# Altium PCB Acquisition-System_V1.0.PcbDoc (part 5 of 5)
Units mil, origin at the board's own origin, x right, y up, seen from the top; angles counter-clockwise.
Board outline 4370.08 x 5629.92 mil, 4 copper layers (Top Layer, Mid-Layer 1, Mid-Layer 2, Bottom Layer), stack 62.135 mil thick; 241 components, 167 nets, 1010 pads, 677 vias.
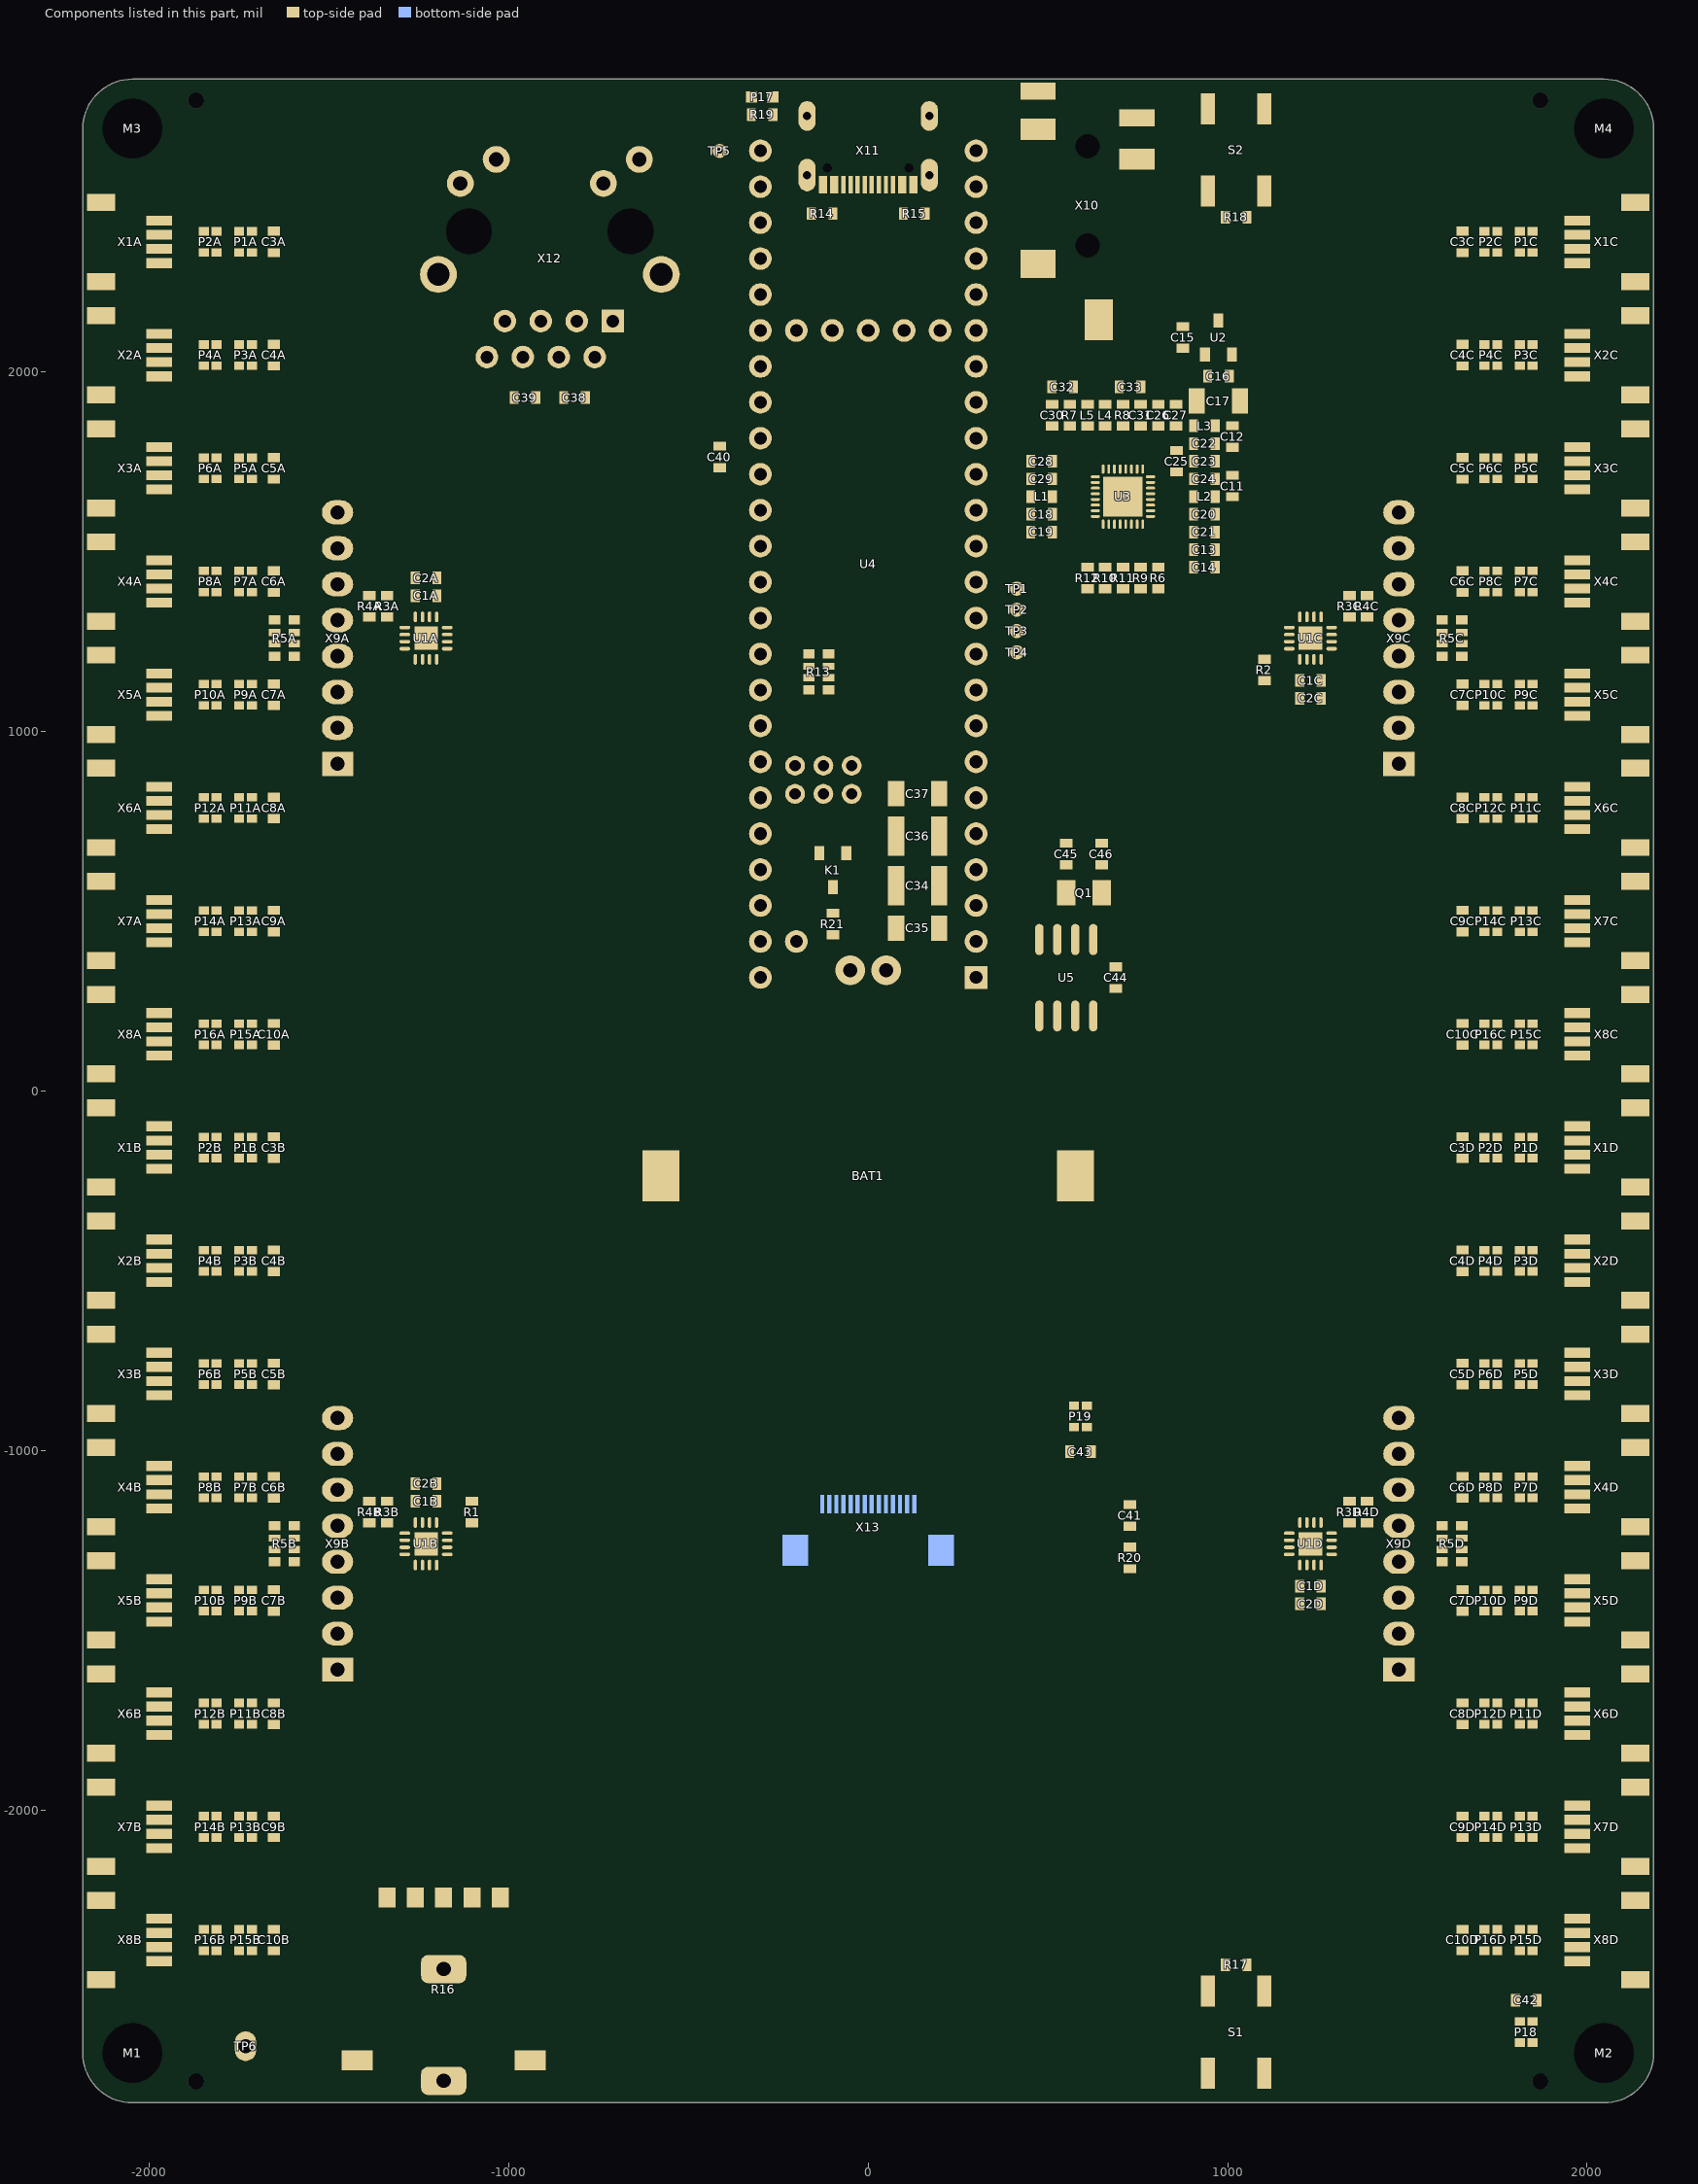
[diagram p7: the components of this part, seen from the top]

## Silkscreen, mask and mechanical layers (free items; w line width, h text height) (continued)
Mechanical 16:
  lines w5: -5849.61,-2490.16 -5649.61,-2490.16 ; -5849.61,-561.02 -5649.61,-561.02 ; -5849.61,1328.74 -5649.61,1328.74 ; -3365.16,-4379.92 -3365.16,-4179.92 ; -3365.16,3020.08 -3365.16,3220.08 ; -840.16,-4179.92 559.84,-4179.92 ; -490.16,-4379.92 -490.16,-4179.92 ; -490.16,3020.08 -490.16,3220.08 ; 559.84,-3879.92 5059.84,-3879.92 ; 559.84,-3579.92 5059.84,-3579.92 ; 559.84,-3279.92 2059.84,-3279.92 ; 2059.84,-4179.92 2059.84,-3579.92 2059.84,-2979.92 ; 2384.84,-4379.92 2384.84,-4179.92 ; 2384.84,3020.08 2384.84,3220.08 ; 4159.84,-4179.92 4159.84,-3579.92 ; 5059.84,-2479.92 5259.84,-2479.92 ; 5059.84,-579.92 5259.84,-579.92 ; 5059.84,1320.08 5259.84,1320.08 ; 559.84,-4179.92 559.84,-2979.92 2059.84,-2979.92 ; 559.84,-4179.92 5059.84,-4179.92 ; 2059.84,-2979.92 5059.84,-2979.92 5059.84,-4179.92 ; 5059.84,-4179.92 5059.84,3020.08 -5649.61,3021.65 -5649.61,-4183.07 5059.84,-4179.92 ; -5846.46,-4379.92 -5846.46,3218.5 5259.84,3220.08 5259.84,-4379.92 -5846.46,-4379.92
  text "1" at -4813.16,3085.08 h70
  text "2" at -1953.16,3085.08 h70
  text "3" at 926.84,3085.08 h70
  text "4" at 3796.84,3085.08 h70
  text "A" at -5807.09,2194.88 h70
  text "A" at 5134.84,2179.08 h70
  text "B" at -5767.72,305.12 h70
  text "B" at 5134.84,287.08 h70
  text "C" at 5134.84,-1622.92 h70
  text "C" at -5767.72,-1624.02 h70
  text "ENGINEER:" at 609.84,-3079.92 h45
  text "TITLE:" at 2109.84,-3079.92 h45
  text "Florian Baumgartner" at 650.94,-3231.22 h70
  text "PCB DESIGNER:" at 609.84,-3374.92 h45
  text "Acquisition-System" at 2125.94,-3398.23 h157.48
  text "D" at 5134.84,-3512.92 h70
  text "D" at -5767.72,-3513.78 h70
  text "Florian Baumgartner" at 650.94,-3531.22 h70
  text "DATE:" at 609.84,-3679.92 h45
  text "PART NO.:" at 2109.84,-3679.92 h45
  text "REV:" at 4209.84,-3679.92 h45
  text "02.10.2023" at 659.84,-3799.92 h70
  text "1/1" at 2100.94,-3831.22 h70
  text "V1.1" at 4200.94,-3831.22 h70
  text "FILE NAME:" at 609.84,-3979.92 h45
  text "DWG NO:" at 2109.84,-3979.92 h45
  text "SCALE:" at 4209.84,-3979.92 h45
  text "Acquisition-System_V1.0.PcbDoc" at 650.94,-4106.22 h57.09
  text "1/1" at 2100.94,-4131.22 h70
  text "1:1" at 4200.94,-4131.22 h70
  text "1" at -4813.16,-4314.92 h70
  text "2" at -1953.16,-4314.92 h70
  text "3" at 926.84,-4314.92 h70
  text "4" at 3796.84,-4314.92 h70

## Dimensions
2047.24,2677.17 to 2047.24,-2677.17 on Mechanical 4
-2047.24,2677.17 to 2047.24,2677.17 on Mechanical 4
-2047.24,-2814.96 to -2047.24,2814.96 on Mechanical 4
-2185.04,-2677.17 to 2185.04,-2677.17 on Mechanical 4